# KiCad board jetson-nano-baseboard.kicad_pcb (continued)
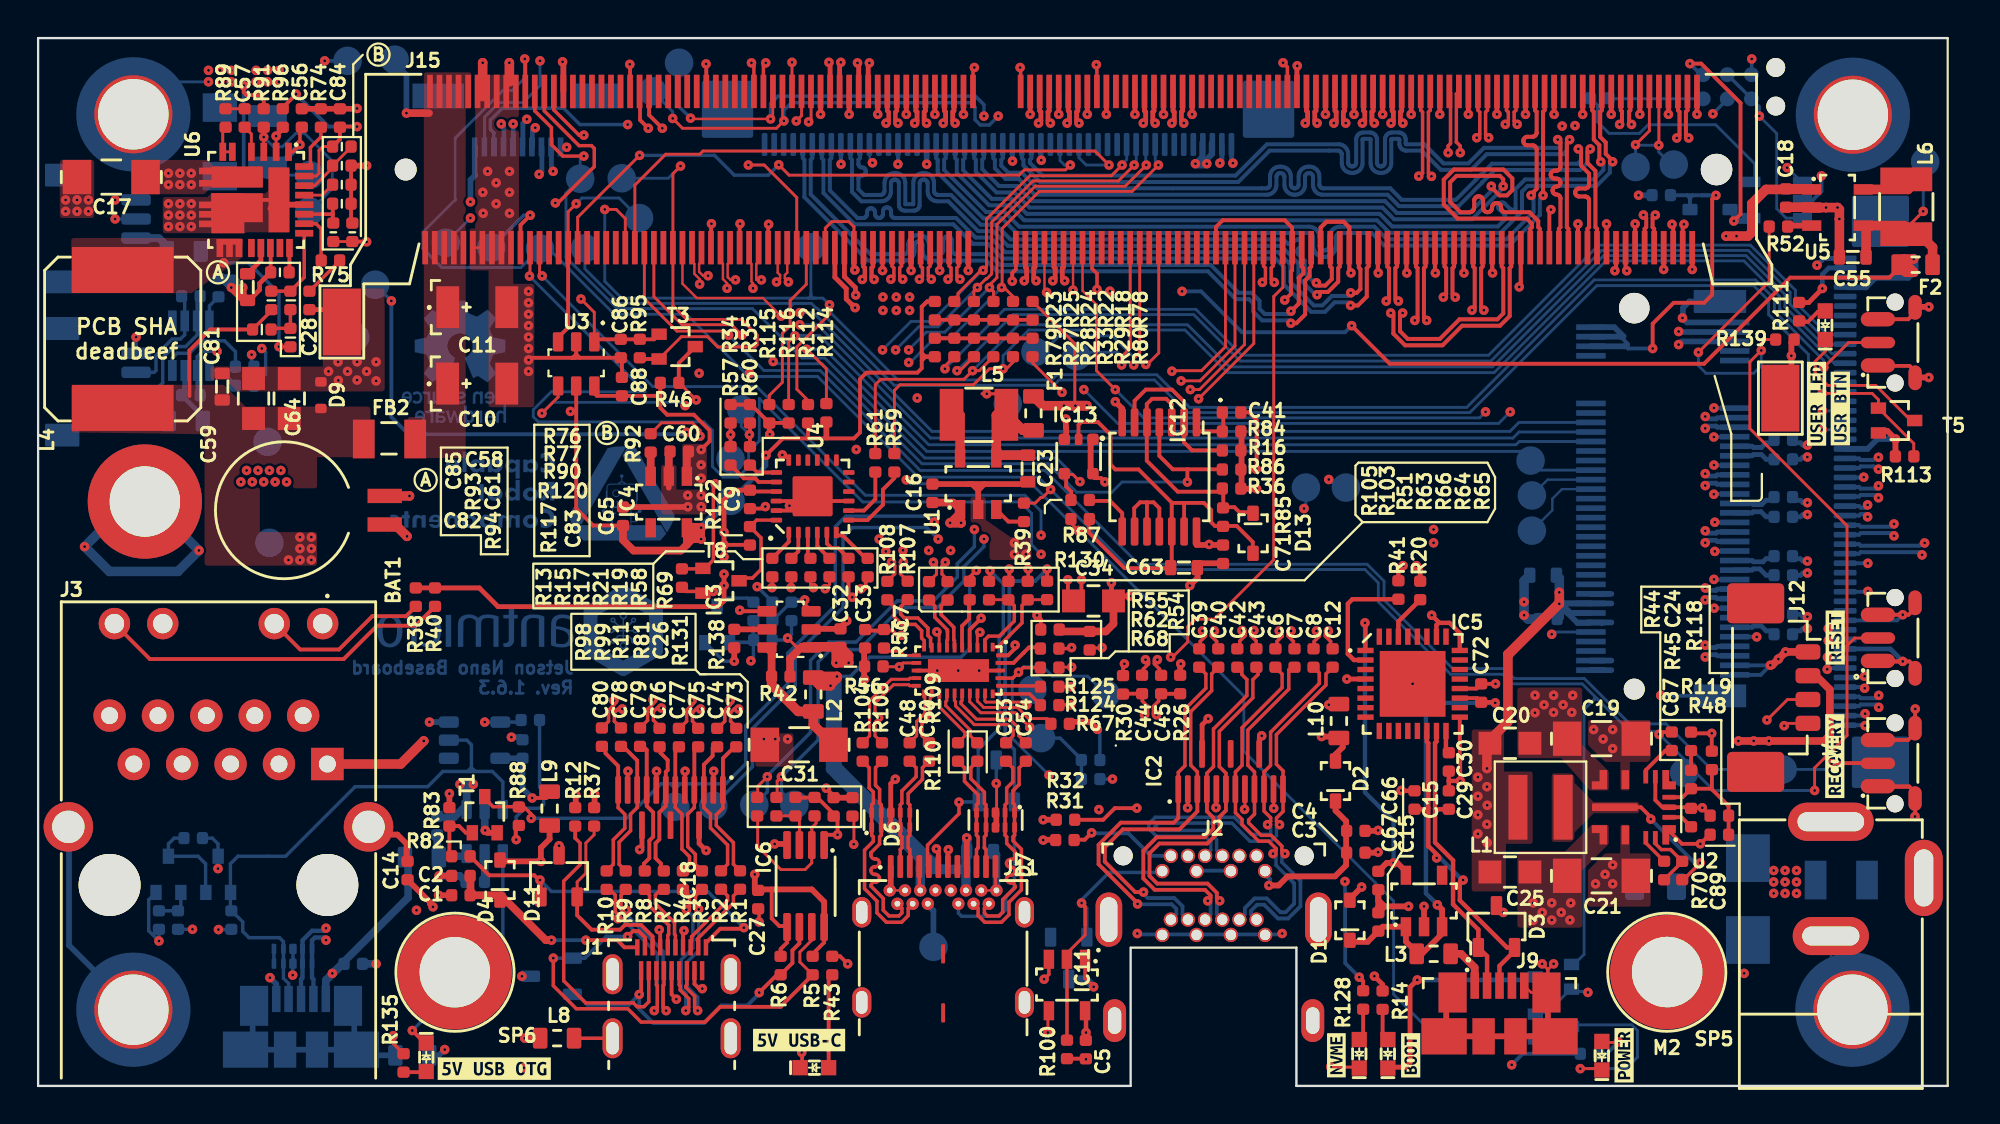
[diagram p0: board, top side]
## Footprints (pads in the part's own frame, mm; a bottom-side part is the same pattern mirrored in y, then rotated) (continued)
  rect 2x3.5 smd: 261(-37.756,-0.073) 262(37.744,-4.073)
TP_SMD_1.5mm
  round 1.5 smd: 1(0,0)
TSSOP-8_3x3mm_P0.65mm
  rrect 1.47x0.4 smd: 1(-2.148,0.962) 2(-2.148,0.313) 3(-2.148,-0.338) 4(-2.148,-0.987) 5(2.151,-0.987) 6(2.151,-0.338) 7(2.151,0.313) 8(2.151,0.962)
TSSOP-14_4.4x5mm_P0.65mm
  rrect 1.475x0.4 smd: 1(-2.863,1.95) 2(-2.863,1.301) 3(-2.863,0.652) 4(-2.863,0) 5(-2.863,-0.65) 6(-2.863,-1.3) 7(-2.863,-1.949) 8(2.862,-1.949) 9(2.862,-1.3) 10(2.862,-0.65) 11(2.862,0) 12(2.862,0.652) 13(2.862,1.301) 14(2.862,1.95)
USB-C_Receptacle_WE_632723300011
  rrect 0.2x1 smd: (-0.001,1.057) (-0.001,-2.043)
  rrect 0.3x1.2 smd: A1(-2.751,5.637) A2(-2.251,5.637) A3(-1.752,5.637) A4(-1.252,5.637) A5(-0.751,5.637) A6(-0.251,5.637) A7(0.248,5.637) A8(0.748,5.637) A9(1.249,5.637) A10(1.749,5.637) A11(2.249,5.637) A12(2.749,5.637)
  round 0.65 hole 0.3: B1(2.798,4.387) B2(2.398,3.686) B3(1.598,3.686) B4(1.199,4.387) B5(0.799,3.686) B6(0.399,4.387) B7(-0.402,4.387) B8(-0.802,3.686) B9(-1.202,4.387) B10(-1.601,3.686) B11(-2.402,3.686) B12(-2.802,4.387) SH(-2.001,4.387) SH(1.999,4.387)
  oval 1x1.6 hole 0.6x1.2: SH(-4.271,3.237) SH(-4.271,-1.493) SH(4.269,3.237) SH(4.269,-1.493)
USB-Micro-B_Receptacle_Molex_473460001
  rect 0.45x1.38 smd: 1(-1.301,2.376) 2(-0.652,2.376) 3(-0.001,2.376) 4(0.652,2.376) 5(1.3,2.376)
  rect 2.375x1.9 smd: SH(-2.911,-0.284) SH(2.913,-0.284)
  rect 1.475x2.1 smd: SH(-2.464,2.016) SH(2.463,2.016)
  rect 1.175x1.9 smd: SH(-0.836,-0.284) SH(0.836,-0.284)
USON-10_2.5x1mm_P0.5mm
  rrect 0.55x0.25 smd: 1(-0.387,1) 2(-0.387,0.5) 4(-0.387,-0.498) 5(-0.387,-0.998) 6(0.385,-0.998) 7(0.385,-0.498) 9(0.385,0.5) 10(0.385,1)
  rrect 0.55x0.4 smd: 3(-0.387,0) 8(0.385,0)
VQFN-24-1EP_3.8x3.8x1.0mm_P0.5mm
  rrect 0.6x0.25 smd: 1(-1.901,1.25) 2(-1.901,0.75) 3(-1.901,0.25) 4(-1.901,-0.248) 5(-1.901,-0.748) 6(-1.901,-1.249) 13(1.898,-1.249) 14(1.898,-0.748) 15(1.898,-0.248) 16(1.898,0.25) 17(1.898,0.75) 18(1.898,1.252)
  rrect 0.25x0.6 smd: 7(-1.252,-1.898) 8(-0.751,-1.898) 9(-0.25,-1.898) 10(0.248,-1.898) 11(0.748,-1.898) 12(1.249,-1.898) 19(1.249,1.901) 20(0.748,1.901) 21(0.248,1.901) 22(-0.25,1.901) 23(-0.75,1.901) 24(-1.252,1.901)
  rrect 2.1x2.1 smd: 25(0,0.001)
VQFN-HR-14_3.5x4mm
  custom 0.71x1.015 smd: 1(-1.68,1.45) 5(-1.68,-1.449)
  rrect 0.7x0.25 smd: 2(-1.855,0.527) 4(-1.855,-0.525)
  rrect 0.7x0.3 smd: 3(-1.855,0)
  rrect 0.25x0.7 smd: 6(-1.131,-1.6) 7(-0.63,-1.6) 13(-0.63,1.601) 14(-1.131,1.601)
  rrect 0.4x1 smd: 8(0.444,-1.449) 12(0.444,1.45)
  custom 0.81x1.015 smd: 9(1.594,-1.449) 11(1.594,1.45)
  rrect 2.4x0.4 smd: 10(0.994,0)
WQFN-30-1EP_4.6x2.6mm_P0.4mm
  rect 0.45x0.2 smd: 1(-1.232,1.809) 10(-1.232,-1.79) 16(1.222,-1.79) 25(1.222,1.809)
  rect 0.5x0.2 smd: 2(-1.203,1.41) 3(-1.203,1.01) 4(-1.203,0.609) 5(-1.203,0.21) 6(-1.203,-0.191) 7(-1.203,-0.59) 8(-1.203,-0.99) 9(-1.203,-1.391) 17(1.196,-1.391) 18(1.196,-0.99) 19(1.196,-0.59) 20(1.196,-0.191) 21(1.196,0.21) 22(1.196,0.609) 23(1.196,1.01) 24(1.196,1.41)
  rect 0.2x0.45 smd: 11(-0.804,-2.191) 15(0.797,-2.191) 26(0.797,2.21) 30(-0.804,2.21)
  rect 0.2x0.5 smd: 12(-0.403,-2.191) 13(-0.003,-2.191) 14(0.396,-2.191) 27(0.396,2.21) 28(-0.003,2.21) 29(-0.403,2.21)
  rect 1.2x3.2 smd: 31(-0.003,0.01)

## Nets
1V8_DBG: C66.1 IC5.1 IC15.5
1V8_SYS: C5.1 C65.1 C86.1 IC4.5 IC11.5 R23.1 R79.1 R88.1 R95.1 R112.1 R114.1 R133.1 T3.1 TP47.1 U3.1 U3.5
3V3_FFC1: F1.2 J6.47 J6.48 R78.1
3V3_FFC2: F2.2 J7.3 J7.4 R80.1
3V3_SYS: C9.1 C13.1 C20.1 C24.1 C25.1 C26.1 C33.1 C36.1 C46.1 C47.1 D1.2 D15.A F4.1 F5.1 IC6.1 IC7.8 J8.2 J8.4 J8.12 J8.14 J8.16 J8.18 J8.70 J8.72 J8.74 J10.1 L1.2 L10.1 R11.1 R34.1 R35.1 R38.1 R40.1 R48.1 R53.1 R81.1 R115.1 R116.1 R118.1 R122.1 R128.1 U2.1 U4.21 U7.3
5V0_DBG: C67.1 C72.1 D17.K IC5.19 IC15.1 IC15.3 L3.1
5V0_SYS: C16.1 C18.1 C32.1 C34.1 C59.1 C60.1 C64.1 C71.1 C81.1 C82.2 C83.1 C88.1 C90.1 D9.2 D17.A FB2.1 IC1.1 IC2.13 IC2.15 IC3.1 IC4.1 IC7.30 IC12.14 IC13.1 IC13.5 J6.49 J6.50 J7.1 J7.2 J12.2 L4.2 L9.1 R14.1 R16.1 R36.1 R42.1 R43.1 R46.1 R47.1 R54.1 R55.1 R67.1 R84.1 R86.1 R93.2 R97.1 R102.1 R111.1 R117.1 R126.1 R134.1 R135.1 R136.1 TP41.1 TP42.1 U1.1 U3.6 U5.1 U8.5
/Supply/3V3_EN: R44.2 U2.7
/Supply/3V3_FB: R45.2 R48.2 R118.2 R119.1 U2.4
/Supply/3V3_R_C_BOOT: C89.2 R70.2 U2.14
/Supply/3V3_SW: C89.1 L1.1 U2.10
/Supply/3V3_VCC: C87.1 U2.2
/Supply/3V3_VIN: C19.1 C21.1 FB3.2 U2.8 U2.12
/Supply/5V_BOOT: C57.2 U6.4
/Supply/5V_COMP: R75.1 U6.21
/Supply/5V_EN: R91.1 TP15.1 U6.3
/Supply/5V_FB: R117.2 R120.1 U6.22
/Supply/5V_FSW: R90.1 U6.24
/Supply/5V_ILIM: R76.2 R77.1 U6.25
/Supply/5V_MODE: R74.1 U6.27
/Supply/5V_PHASE: R89.2 U6.5 U6.6
/Supply/5V_SNS: C61.2 C82.1 R94.2
/Supply/5V_SS: C58.1 U6.19
/Supply/5V_SW: L4.1 R94.1 U6.12 U6.13 U6.14
/Supply/5V_VIN: C17.1 C22.1 C56.1 FB1.2 R91.2 TP11.1 U6.1 U6.7 U6.8
/Supply/VDD_5V_DCDC: C84.1 R76.1 R96.2 U6.26
GND: BAT1.- C1.2 C2.2 C3.2 C4.2 C5.2 C9.2 C10.2 C11.2 C13.2 C14.2 C15.2 C16.2 C17.2 C18.2 C19.2 C20.2 C21.2 C22.2 C23.2 C25.2 C26.2 C27.2 C28.2 C29.2 C30.2 C31.2 C32.2 C33.2 C34.2 C35.2 C36.2 C41.2 C46.2 C47.2 C55.2 C56.2 C58.2 C59.2 C60.2 C62.2 C63.2 C64.2 C65.2 C66.2 C67.2 C71.2 C72.2 C81.2 C83.2 C84.2 C85.2 C86.2 C87.2 C88.2 C90.2 D1.1 D3.3 D5.3 D6.3 D6.8 D7.3 D7.8 D8.3 D8.8 D9.1 D10.3 D11.3 D12.3 D14.2 IC1.2 IC2.2 IC2.5 IC2.8 IC2.11 IC3.2 IC4.2 IC5.4 IC5.17 IC5.20 IC5.24 IC5.26 IC5.33 IC6.4 IC7.13 IC7.28 IC7.31 IC11.1 IC11.3 IC12.7 IC13.3 IC15.2 IC17.2 IC18.2 IC18.5 IC18.8 IC18.11 J2.1 J2.7 J2.8 J2.13 J2.14 J2.19 J2.21 J2.22 J2.23 J2.24 J3.1 J4.2 J4.3 J5.5 J6.9 J6.12 J6.15 J6.18 J6.27 J6.30 J7.21 J7.24 J7.33 J7.36 J7.39 J7.42 J8.1 J8.3 J8.9 J8.15 J8.21 J8.27 J8.33 J8.39 J8.45 J8.51 J8.57 J8.71 J8.73 J8.75 J8.SH1 J8.SH2 J9.5 J9.SH J10.10 J11.A1 J11.A12 J11.B1 J11.B12 J11.SH J12.1 J13.4 J13.S1 J13.S2 J14.1 J14.S1 J14.S2 J15.1 J15.2 J15.7 J15.8 J15.13 J15.14 J15.19 J15.20 J15.25 J15.26 J15.31 J15.32 J15.37 J15.38 J15.43 J15.44 J15.49 J15.50 J15.55 J15.56 J15.61 J15.62 J15.67 J15.68 J15.73 J15.74 J15.79 J15.80 J15.85 J15.86 J15.102 J15.107 J15.113 J15.119 J15.125 J15.129 J15.132 J15.135 J15.138 J15.141 J15.144 J15.146 J15.147 J15.152 J15.153 J15.158 J15.159 J15.164 J15.165 J15.170 J15.171 J15.176 J15.177 J15.200 J15.201 J15.217 J15.231 J15.241 J15.242 J15.243 J15.244 J15.245 J15.246 J15.247 J15.248 J15.249 J15.250 J15.261 J15.262 L7.2 L8.1 R12.2 R30.2 R31.2 R32.2 R37.2 R50.2 R56.1 R62.1 R69.2 R73.2 R74.2 R77.2 R83.2 R90.2 R100.2 R113.1 R119.2 R120.2 R121.2 R127.2 R131.2 R137.2 R138.2 R139.2 REC1.1 REC1.3 REC1.SH RST1.1 RST1.3 RST1.SH SP1.1 SP2.1 SP3.1 SP5.1 SP6.1 SP7.1 T1.2 T2.2 T4.2 T5.2 T6.2 T7.2 T8.2 TP12.1 TP17.1 TP30.5 TP44.1 U1.2 U2.3 U2.6 U2.9 U2.11 U3.2 U4.9 U4.18 U4.22 U4.23 U4.25 U5.2 U6.9 U6.10 U6.11 U6.17 U6.23 U6.28 U7.2 U8.3 USR1.1 USR1.3 USR1.SH
VDD_MOD: C10.1 C11.1 FB2.2 J15.251 J15.252 J15.253 J15.254 J15.255 J15.256 J15.257 J15.258 J15.259 J15.260 TP38.1
VIN: D14.1 F3.2 FB1.1 FB3.1 TP16.1
#PWR_BUTTON: J15.240 TP31.1
#RECOVERY: J15.214 REC1.2 TP39.1
#RESET: J15.239 R39.1 R44.1 R52.1 R92.1 R139.1 RST1.2 T2.1 TP29.1 TP37.1
#SHUTDOWN_REQ: IC12.4 J15.233 R86.2 TP28.1
/CSI/CAM0_SCL: J6.40 R15.2 R24.2
/CSI/CAM0_SDA: J6.39 R13.2 R25.2
/CSI/CAM1_SCL: J6.42 R18.2 R21.2
/CSI/CAM1_SDA: J6.41 R17.2 R22.2
/CSI/CAM2_SCL: J7.9 R27.2 R58.2
/CSI/CAM2_SDA: J7.10 R19.2 R28.2
/CSI/CAM3_SCL: J7.11 R33.2 R61.2
/CSI/CAM3_SDA: J7.12 R29.2 R59.2
/CSI/CAM_I2C_SCL: J15.213 R35.2 R60.1 TP10.1
/CSI/CAM_I2C_SDA: J15.215 R34.2 R57.1 TP1.1
/CSI/CSI_A_CLK_N: J7.23 J15.10
/CSI/CSI_A_CLK_P: J7.22 J15.12
/CSI/CSI_A_D0_N: J7.26 J15.4
/CSI/CSI_A_D0_P: J7.25 J15.6
/CSI/CSI_A_D1_N: J7.28 J15.16
/CSI/CSI_A_D1_P: J7.27 J15.18
/CSI/CSI_B_D0_N: J7.30 J15.3
/CSI/CSI_B_D0_P: J7.29 J15.5
/CSI/CSI_B_D1_N: J7.32 J15.15
/CSI/CSI_B_D1_P: J7.31 J15.17
/CSI/CSI_C_CLK_N: J7.41 J15.52
/CSI/CSI_C_CLK_P: J7.40 J15.54
/CSI/CSI_C_D0_N: J7.44 J15.46
/CSI/CSI_C_D0_P: J7.43 J15.48
/CSI/CSI_C_D1_N: J7.46 J15.58
/CSI/CSI_C_D1_P: J7.45 J15.60
/CSI/CSI_D_D0_N: J7.48 J15.40
/CSI/CSI_D_D0_P: J7.47 J15.42
/CSI/CSI_D_D1_N: J7.50 J15.64
/CSI/CSI_D_D1_P: J7.49 J15.66
/CSI/CSI_E_CLK_N: J6.28 J15.28
/CSI/CSI_E_CLK_P: J6.29 J15.30
/CSI/CSI_E_D0_N: J6.25 J15.22
/CSI/CSI_E_D0_P: J6.26 J15.24
/CSI/CSI_E_D1_N: J6.23 J15.34
/CSI/CSI_E_D1_P: J6.24 J15.36
/CSI/CSI_F_D0_N: J6.21 J15.21
/CSI/CSI_F_D0_P: J6.22 J15.23
/CSI/CSI_F_D1_N: J6.19 J15.33
/CSI/CSI_F_D1_P: J6.20 J15.35
/CSI/CSI_G_CLK_N: J6.10 J15.76
/CSI/CSI_G_CLK_P: J6.11 J15.78
/CSI/CSI_G_D0_N: J6.7 J15.70
/CSI/CSI_G_D0_P: J6.8 J15.72
/CSI/CSI_G_D1_N: J6.5 J15.82
/CSI/CSI_G_D1_P: J6.6 J15.84
/Display/DP_CEC: J2.6 R32.1
/Display/DP_HPD: IC11.4 J15.88
/Display/DP_HPD_IN: D12.2 IC11.2 J2.2 R100.1
/Display/DP_MODE: J2.4 R31.1
/Display/EDP0_TX_N: C40.1 J15.39
/Display/EDP0_TX_P: C39.1 J15.41
/Display/EDP1_TX_N: C43.1 J15.45
/Display/EDP1_TX_P: C42.1 J15.47
/Display/EDP2_TX_N: C7.1 J15.51
/Display/EDP2_TX_P: C6.1 J15.53
/Display/EDP3_TX_N: C12.1 J15.57
/Display/EDP3_TX_P: C8.1 J15.59
/Display/EDP_AUX_N: C45.1 J15.90
/Display/EDP_AUX_P: C44.1 J15.92
/Display/EDP_C_AUX_C_N: C45.2 J2.18 R26.1
/Display/EDP_C_AUX_C_P: C44.2 J2.16 R30.1
/Display/ML_C_LANE0_N: C40.2 IC2.3 J2.5
/Display/ML_C_LANE0_P: C39.2 IC2.1 J2.3
/Display/ML_C_LANE1_N: C43.2 IC2.6 J2.11
/Display/ML_C_LANE1_P: C42.2 IC2.4 J2.9
/Display/ML_C_LANE2_N: C7.2 IC2.9 J2.17
/Display/ML_C_LANE2_P: C6.2 IC2.7 J2.15
/Display/ML_C_LANE3_N: C12.2 IC2.12 J2.12
/Display/ML_C_LANE3_P: C8.2 IC2.10 J2.10
/Display/TMDS_C1_CLK_N: C80.2 IC18.12 R10.1
/Display/TMDS_C1_CLK_P: C78.2 IC18.10 R9.1
/Display/TMDS_C1_D0_N: C79.2 IC18.9 R8.1
/Display/TMDS_C1_D0_P: C76.2 IC18.7 R7.1
/Display/TMDS_C1_D1_N: C77.2 IC18.6 R4.1
/Display/TMDS_C1_D1_P: C75.2 IC18.4 R3.1
/Display/TMDS_C1_D2_N: C74.2 IC18.3 R2.1
/Display/TMDS_C1_D2_P: C73.2 IC18.1 R1.1
/Display/TMDS_CEC: J15.94 TP26.1
/Display/TMDS_CEC_IN: D11.2 J1.15 R37.1
/Display/TMDS_CLK_C_N: J1.14 R10.2
/Display/TMDS_CLK_C_P: J1.12 R9.2
/Display/TMDS_CLK_N: C80.1 J15.81
/Display/TMDS_CLK_P: C78.1 J15.83
/Display/TMDS_D0_C_N: J1.11 R8.2
/Display/TMDS_D0_C_P: J1.9 R7.2
/Display/TMDS_D0_N: C79.1 J15.75
/Display/TMDS_D0_P: C76.1 J15.77
/Display/TMDS_D1_C_N: J1.8 R4.2
/Display/TMDS_D1_C_P: J1.6 R3.2
/Display/TMDS_D1_N: C77.1 J15.69
/Display/TMDS_D1_P: C75.1 J15.71
/Display/TMDS_D2_C_N: J1.5 R2.2
/Display/TMDS_D2_C_P: J1.3 R1.2
/Display/TMDS_D2_N: C74.1 J15.63
/Display/TMDS_D2_P: C73.1 J15.65
/Display/TMDS_HPD_IN: D11.1 J1.1 R82.2
/Display/TMDS_SCL: J15.100 R98.1 TP33.1
/Display/TMDS_SCL_5V0: D10.1 IC6.7 J1.17 R5.2
/Display/TMDS_SDA: J15.98 R99.1 TP34.1
/Display/TMDS_SDA_5V0: D10.2 IC6.6 J1.18 R6.2
/ID Serial/EEPROM_PWR: D15.K IC17.4 TP30.1
/ID Serial/SN_WP: IC17.5 R132.2
/Interfaces/C_PCIE0_TX0_N: C38.1 J8.47
/Interfaces/C_PCIE0_TX0_P: C37.1 J8.49
/Interfaces/C_PCIE0_TX1_N: C51.1 J8.35
/Interfaces/C_PCIE0_TX1_P: C49.1 J8.37
/Interfaces/C_PCIE0_TX2_N: C68.1 J8.23
/Interfaces/C_PCIE0_TX2_P: C52.1 J8.25
/Interfaces/C_PCIE0_TX3_N: C70.1 J8.11
/Interfaces/C_PCIE0_TX3_P: C69.1 J8.13
/Interfaces/CANH: J13.2 R123.1 U7.7
/Interfaces/CANL: J13.3 R123.2 U7.6
/SoM/PMIC_BBAT: BAT1.+ J15.235
/Supply/\~{PWR_SET}: C41.1 IC12.1 R84.2
/Supply/FAN_PMW_5V: J12.4 U3.4
/Supply/FAN_TACH_5V: J12.3 R46.2 T3.3
/Supply/Q: D13.K IC12.3 IC12.5 R36.2 R85.1
/Supply/QDEL: C63.1 D13.A IC12.12 IC12.13 IC13.2 R85.2 R87.2
/Supply/VDRV_5V_DCDC: C85.1 U6.16
/USB/C_CC1: D5.2 J11.A5 R63.2 R64.2
/USB/C_CC2: D5.1 J11.B5 R65.2 R66.2
/USB/C_USBSS_RX1_N: D6.1 D6.10 J11.B10 R104.2
/USB/C_USBSS_RX1_P: D6.2 D6.9 J11.B11 R106.2
/USB/C_USBSS_RX2_N: D7.5 D7.6 J11.A10 R109.2
/USB/C_USBSS_RX2_P: D7.4 D7.7 J11.A11 R110.2
/USB/C_USBSS_RX6_N: IC7.10 R108.2
/USB/C_USBSS_RX6_P: IC7.9 R107.2
/USB/C_USBSS_TX1_N: C50.2 D6.5 D6.6 J11.A3
/USB/C_USBSS_TX1_P: C48.2 D6.4 D6.7 J11.A2
/USB/C_USBSS_TX2_N: C54.2 D7.1 D7.10 J11.B3
/USB/C_USBSS_TX2_P: C53.2 D7.2 D7.9 J11.B2
/USB/C_USBSS_TX6_N: IC7.7 R105.2
/USB/C_USBSS_TX6_P: IC7.6 R103.2
/USB/CC1: IC7.2 R63.1 R66.1
/USB/CC2: IC7.1 R64.1 R65.1
/USB/DBG_USB_D_N: C29.1 D3.1 IC5.15 J9.2
/USB/DBG_USB_D_P: C15.1 D3.2 IC5.14 J9.3
/USB/EN_MUX: IC7.12 R56.2 R68.1
/USB/OTG_USB_ID: D8.4 D8.7 IC1.3 J5.4 R134.2 T9.1 U8.2
/USB/OTG_USB_VBUS: C62.1 J5.1 L11.2 R72.2
/USB/USB_DBG_VBUS: J9.1 L3.2
/USB/USBC_ADDR: IC7.22 R126.2 R127.1 TP21.1
/USB/USBC_FAULT: IC7.24 TP32.1
/USB/USBC_ID: IC7.27 R47.2 R49.1 R68.2 T7.1 TP18.1
/USB/USBC_INTN: IC7.23 R67.2
/USB/USBC_SCL: IC7.26 R125.2
/USB/USBC_SDA: IC7.25 R124.2
/USB/USBC_VBUS: C35.1 J11.A4 J11.A9 J11.B4 J11.B9 L2.2 R51.2 R131.1
/USB/USBSS_RX1_N: IC7.14 R104.1
/USB/USBSS_RX1_P: IC7.15 R106.1
/USB/USBSS_RX2_N: IC7.18 R109.1
/USB/USBSS_RX2_P: IC7.19 R110.1
/USB/USBSS_TX1_N: C48.1 IC7.16
/USB/USBSS_TX1_P: C50.1 IC7.17
/USB/USBSS_TX2_N: C53.1 IC7.20
/USB/USBSS_TX2_P: C54.1 IC7.21
/USB/~{OTG_USB_FAULT}: IC1.4 LED2.2
\PEWAKE_3V3: J8.54 J15.179
CAN_RXD: J15.143 R101.1
CAN_TXD: J15.145 R71.1
DP_PWR: D2.A L10.2 R26.2
EGND: C14.1 J3.S SP4.1
ENET_LED0: J3.13 J15.194
ENET_LED1: J3.11 J15.188
ENET_TRD0_N: J3.3 J15.184
ENET_TRD0_P: J3.2 J15.186
ENET_TRD1_N: J3.5 J15.190
ENET_TRD1_P: J3.4 J15.192
ENET_TRD2_N: J3.8 J15.196
ENET_TRD2_P: J3.7 J15.198
ENET_TRD3_N: J3.10 J15.202
ENET_TRD3_P: J3.9 J15.204
FAN_PWM: J15.230 TP13.1 U3.3
FAN_TACH: J15.208 R95.2 T3.2 TP14.1
GEN0_SCL: IC17.1 J15.185 R124.1 TP23.1 TP30.4
GEN0_SDA: IC17.3 J15.187 R125.1 TP24.1 TP30.3 TP30.6
HDMI_PWR: C27.1 D4.A IC6.5 IC6.8 IC18.13 IC18.15 L9.2 R5.1 R6.1
HDMI_SHIELD: J1.4 J1.7 J1.10 J1.13 J1.SH L8.2
I2C1_SCL: J14.4 J15.189
I2C1_SDA: J14.3 J15.191
I2C_MUX_RESET: J15.127 R69.1 T8.1
M2_ALERT: J8.44 J15.212 R114.2 TP2.1
OTG_USB_D_N: D8.1 D8.10 J5.2 J15.109
OTG_USB_D_P: D8.2 D8.9 J5.3 J15.111
PCIE0_CLK_N: J8.53 J15.160
PCIE0_CLK_P: J8.55 J15.162
PCIE0_RX0_N: J8.41 J15.131
PCIE0_RX0_P: J8.43 J15.133
PCIE0_RX1_N: J8.29 J15.137
PCIE0_RX1_P: J8.31 J15.139
PCIE0_RX2_N: J8.17 J15.149
PCIE0_RX2_P: J8.19 J15.151
PCIE0_RX3_N: J8.5 J15.155
PCIE0_RX3_P: J8.7 J15.157
PCIE0_TX0_N: C38.2 J15.134
PCIE0_TX0_P: C37.2 J15.136
PCIE0_TX1_N: C51.2 J15.140
PCIE0_TX1_P: C49.2 J15.142
PCIE0_TX2_N: C68.2 J15.148
PCIE0_TX2_P: C52.2 J15.150
PCIE0_TX3_N: C70.2 J15.154
PCIE0_TX3_P: C69.2 J15.156
PCIE1_CLK_N: J10.5 J15.173
PCIE1_CLK_P: J10.4 J15.175
PCIE1_CLKREQ: J10.3 J15.182
PCIE1_RST: J10.2 J15.183
PCIE1_RX0_N: J10.9 J15.167
PCIE1_RX0_P: J10.8 J15.169
PCIE1_TX0_N: J10.7 J15.172
PCIE1_TX0_P: J10.6 J15.174
PEX_L0_CLKREQ_N: J8.52 J15.180 R115.2
PEX_L0_RST_N: J8.50 J15.181 R116.2
PWR_EN: IC13.4 J15.237 R130.1 TP27.1
PWR_GOOD: R87.1 R96.1 T4.1 TP40.1 U6.2
TMDS_HPD: J15.96 R88.2 T1.3 TP25.1
UART1_RX: J15.238 R20.1
UART1_TX: J15.236 R41.1
USB1_D_N: J11.A7 J11.B7 J15.115
USB1_D_P: J11.A6 J11.B6 J15.117
USBSS_RX6_N: J15.161 R108.1
USBSS_RX6_P: J15.163 R107.1
USBSS_TX6_N: J15.166 R105.1
USBSS_TX6_P: J15.168 R103.1
USR_BUTTON: J15.218 R112.2 TP36.1 USR1.2
USR_LED: J15.206 R113.2 T5.1 TP35.1
VSYNC_CAM1_1: J6.32 J15.228
VSYNC_CAM1_2: J6.34 J15.216
VSYNC_CAM2_1: J7.19 J15.114
VSYNC_CAM2_2: J7.17 J15.130
~{OTG_USB_ID_DET}: J15.128 R133.2 U8.4
~{OTG_USB_VBUS_DET}: J15.87 R129.1 T9.3
Net-(BOOT1-Pad1): BOOT1.1 R14.2
Net-(C24-Pad2): C24.2 R45.1
Net-(C28-Pad1): C28.1 R75.2
Net-(C57-Pad1): C57.1 R89.1
Net-(F3-Pad1): F3.1 J4.1
Net-(F4-Pad2): F4.2 J13.1
Net-(F5-Pad2): F5.2 J14.2
Net-(IC1-ILIM): IC1.5 R50.1
Net-(IC1-OUT): IC1.6 L11.1 R136.2
Net-(IC3-ILIM): IC3.5 R138.1
Net-(IC3-OUT): C31.1 IC3.6 L2.1 R42.2
Net-(IC3-~{EN}): IC3.3 R49.2 R102.2 R137.1 T7.3
Net-(IC3-~{FAULT}): IC3.4 LED1.2
Net-(IC4-EN): IC4.3 R92.2
Net-(IC5-3V3OUT): C30.1 IC5.16
Net-(IC5-RXD): IC5.2 R41.2
Net-(IC5-TXD): IC5.30 R20.2
Net-(IC6-SCLA): IC6.2 R81.2 R98.2
Net-(IC6-SDAA): IC6.3 R11.2 R99.2
Net-(IC7-CURRENT_MODE): IC7.3 R54.2
Net-(IC7-DIR): IC7.11 R53.2
Net-(IC7-ENn_CC): IC7.29 R62.2
Net-(IC7-PORT): IC7.4 R55.2
Net-(IC7-VBUS_DET): IC7.5 R51.1
Net-(IC12-1B): IC12.2 IC12.6 R16.2
Net-(IC12-3A): IC12.9 IC12.10 IC12.11
Net-(IC12-~{3Y}): IC12.8 R130.2
Net-(J1-+5V): C1.1 C2.1 D4.K J1.19
Net-(J1-GND): J1.16 R12.1
Net-(J2-DP_PWR): C3.1 C4.1 D2.K J2.20
Net-(J3-Pad12): J3.12 R38.2
Net-(J3-Pad14): J3.14 R40.2
Net-(J5-SHIELD): J5.SH L7.1
Net-(J8-LED): J8.10 NVME1.2
Net-(J8-SMB_CLK): J8.40 TP20.1
Net-(J8-SMB_DATA): J8.42 TP7.1
Net-(J11-SBU2): J11.B8 TP19.1
Net-(LED1-Pad1): LED1.1 R43.2
Net-(LED2-Pad1): LED2.1 R135.2
Net-(M1B-(CSI1_CLK)RSVD-Pad11): J15.9 J15.11 TP3.1 TP4.1
Net-(M1B-CAM1_PWDN): J15.120 TP6.1
Net-(M1B-GPIO01): J15.118 TP9.1
Net-(NVME1-Pad1): NVME1.1 R128.2
Net-(PWR1-Pad1): PWR1.1 R97.2
Net-(R18-Pad1): R18.1 R22.1 R23.2 R24.1 R25.1 R78.2
Net-(R27-Pad1): R27.1 R28.1 R29.1 R33.1 R79.2 R80.2
Net-(R111-Pad2): R111.2 USER1.1
Net-(R132-Pad1): R132.1 TP30.2
Net-(T1-G): R82.1 R83.1 T1.1
Net-(T2-D): BOOT1.2 T2.3
Net-(T4-D): PWR1.2 T4.3
Net-(T5-D): T5.3 USER1.2
Net-(T6-D): R129.2 T6.3 T9.2
Net-(T6-G): R72.1 R73.1 T6.1
Net-(T8-D): R122.2 T8.3 U4.24
Net-(U1-EN): R39.2 U1.3
Net-(U1-FB): C23.1 F1.1 L5.2 TP5.1 U1.4
Net-(U1-SW): L5.1 U1.5
Net-(U2-RBOOT): R70.1 U2.13
Net-(U4-SC0): R15.1 U4.2
Net-(U4-SC1): R21.1 U4.4
Net-(U4-SC2): R58.1 U4.6
Net-(U4-SC3): R61.1 U4.8
Net-(U4-SCL): R60.2 U4.19
Net-(U4-SD0): R13.1 U4.1
Net-(U4-SD1): R17.1 U4.3
Net-(U4-SD2): R19.1 U4.5
Net-(U4-SD3): R59.1 U4.7
Net-(U4-SDA): R57.2 U4.20
Net-(U5-EN): R52.2 U5.3
Net-(U5-FB): C55.1 F2.1 L6.2 TP8.1 U5.4
Net-(U5-SW): L6.1 U5.5
Net-(U6-V_{SNS}): C61.1 R93.1 U6.20
Net-(U7-RH): R121.1 U7.8
Net-(U7-RXD): R101.2 U7.4
Net-(U7-TXD): R71.2 U7.1

Pads without a net: D8 5 6; D12 1; IC2 14; IC4 4; IC5 3 5 6 7 8 9 10 11 12 13 18 21 22 23 25 27 28 29 31 32; IC15 4; IC18 14; J1 2; J3 6; J6 1 2 3 4 13 14 16 17 31 33 35 36 37 38 43 44 45 46 MP1 MP2; J7 5 6 7 8 13 14 15 16 18 20 34 35 37 38 MP1 MP2; J8 6 8 20 22 24 26 28 30 32 34 36 38 46 48 56 58 67 68 69; J9 4; J10 MP1 MP2; J11 A8; J12 MP1 MP2; J15 27 29 89 91 93 95 97 99 101 103 104 105 106 108 110 112 116 121 122 123 124 126 178 193 195 197 199 203 205 207 209 210 211 219 220 221 222 223 224 225 226 227 229 232 234; U2 5; U4 10 11 12 13 14 15 16 17; U6 15 18; U7 5; U8 1

## Via types
v1: diameter 0.5, hole 0.15, Top to Bottom, 794 vias

## Routing (per net, layer and track width the routed paths; a pad name or vN(x,y) marks a point on that pad's centre or on a via; arc(x,y) is an arc through that point)
1V8_DBG: length 16.7
  Top w0.23: 69.67,22.86 69.67,24.28 v1(69.64,24.31)
  Top w0.3: 71.79,11.06 71.79,11.26 71.34,11.71 v1(71.14,11.71) 70.78,11.71 C66.1
  Bottom w0.23: v1(69.64,24.31) 69.64,15.41 71.14,13.91 v1(71.14,11.71)
1V8_SYS: length 123
  Top w0.15: 29.19,39.06 29.19,40.61 v1(28.49,41.31)
  Top w0.2: v1(25.09,12.93) 25.07,12.95 25.07,13.69 ; 47.06,41.17 46.65,41.17 46.38,40.89 ; 46.38,40.89 46.66,41.18 R23.1 ; 46.38,40.89 46.38,38.47 ; 46.38,38.47 46.38,38.27 ; 46.38,38.47 46.57,38.28 46.71,38.28 ; 46.38,38.27 46.38,38.28 46.71,38.28 ; 46.38,38.27 46.38,38.07 ; v1(38.2,33.1) 39.09,33.99 40.36,33.99 ; R79.1 46.71,38.28 ; 46.71,38.28 46.58,38.28 46.38,38.07 ; 40.36,33.99 40.41,34.03 40.41,34.58 ; 40.36,33.99 42.82,33.99 43.14,34.31 43.14,37.11 43.48,37.44 46.15,37.44 46.38,37.67 46.38,38.07 ; 29.19,39.06 29.33,39.19 32.33,39.19 T3.1 ; 28.24,36.36 28.24,35.41 ; 28.24,35.41 28.24,30.31 29.13,29.42 30.7,29.42 ; 28.24,35.41 v1(27.94,35.41)
  Top w0.23: IC11.5 55,3.9 v1(55,2.8)
  Top w0.3: 41.37,34.04 41.37,34.85
  Top w0.4: 34.05,28.71 34.05,29.3 34.2,29.3 v1(34.8,28.7) ; 34.05,28.71 34.05,28.41 ; 34.05,28.71 34.06,28.7 v1(34.8,28.7) ; v1(34.8,28.7) 34.34,28.7 34.05,28.41 ; v1(34.8,28.7) v1(34.8,29.3) ; 34.05,28.41 33.74,28.1 31.25,28.1 30.7,28.65 30.7,29.42
  Top w0.5: 34.05,29.3 v1(34.8,29.3)
  In2_SINGAL.Cu w0.15: v1(28.49,41.31) 28.49,35.96 v1(27.94,35.41)
  In5_3V3_SYS_SIGNAL.Cu w0.5: v1(34.8,28.7) 34.8,27.65 ; 36.49,13.26 25.42,13.26 v1(25.09,12.93) ; 36.49,13.26 37.19,13.26 37.44,13 ; 36.49,13.26 37.1,13.26 37.44,13.6 ; v1(55,2.8) 53.94,3.86 53.94,6.01 52.64,7.31 41.04,7.31 39.96,8.39 39.96,10.49 37.89,12.55 ; 37.44,13.6 37.34,13.5 37.34,13.1 37.89,12.55 ; 37.44,13.6 37.44,14.01 ; 37.89,12.55 37.44,13 ; 37.44,14.01 37.44,20.16 34.8,22.8 34.8,27.65 ; 37.44,14.01 37.44,13 ; 34.8,27.65 v1(34.8,29.3)
  Bottom w0.18: R133.1 26.32,15.68 26.53,15.47 26.53,14.78 26.33,14.58 25.54,14.58 25.09,14.13 v1(25.09,12.93)
  Bottom w0.25: v1(38.2,33.1) 38.2,32.56 TP47.1
  Bottom w0.4: TP47.1 36.21,30.71 v1(34.8,29.3)
3V3_FFC1: length 36.5
  Top w0.15: R78.1 54.41,38.96 54.41,35.74 v1(54.44,35.71)
  Top w0.5: v1(53.84,35.71) v1(55.04,35.71) ; v1(55.04,35.71) 52.73,35.71 52.24,36.2 ; v1(55.04,35.71) v1(54.44,35.71)
  In2_SINGAL.Cu w0.4: v1(61.34,48.41) 61.22,48.32 ; 55.7,36.37 55.24,35.92
  In2_SINGAL.Cu w0.5: 55.24,35.92 55.7,36.37 55.7,36.86 56.02,37.18 58.33,37.18 58.88,37.73 58.88,39.37 61.13,41.62 61.13,47.84 ; 61.13,47.84 61.13,48.23 v1(61.34,48.41) ; 61.13,47.84 61.13,48.01 v1(60.74,48.41) 61.07,48.41 ; 55.54,36.21 55.03,35.71 v1(53.84,35.71)
  Bottom w0.25: 61.34,48.64 61.63,48.94 61.63,49.42 ; v1(61.34,48.41) 61.14,48.64 61.14,49.42
  Bottom w0.3: v1(61.34,48.41) 61.34,48.64 61.59,48.89 ; v1(60.74,48.41) 61.09,48.76 61.09,49.51 ; 61.59,49.51 61.59,48.89 ; 61.59,48.89 61.47,48.78
  Bottom w0.5: v1(61.34,48.41) v1(60.74,48.41)
3V3_FFC2: length 63.8
  Top w0.15: v1(53.74,36.41) 52.19,37.95 R80.1
  Top w0.2: v1(68.94,39.91) 70.94,37.91 87.44,37.91 91.96,42.43 97.16,42.43 97.74,43.01 98.14,43.01
  Top w0.5: v1(98.44,43.41) 97.95,43.41 ; 97.95,43.41 97.65,43.11 98.05,42.71 v1(98.44,42.71) 97.95,43.2 97.95,43.41
  In2_SINGAL.Cu w0.2: v1(53.74,36.41) 53.74,37.11 58.34,41.71 v1(60.04,41.71)
  Bottom w0.2: v1(68.94,39.91) 68.6,39.56 63.19,39.56 61.04,41.71 v1(60.04,41.71)
  Bottom w0.3: 94.98,41.92 95.93,41.92 ; 95.93,41.92 95.93,42.3 96.05,42.42 94.98,42.42 96.43,42.42 ; 95.93,41.92 96.43,42.42 ; 96.43,42.42 98.15,42.42 v1(98.44,42.71)
  Bottom w0.5: v1(98.44,43.41) v1(98.44,42.71)
3V3_SYS: length 163.2
  Top w0.15: v1(47.17,23.83) 47.29,23.71 47.29,23
  Top w0.2: 36.34,35.76 37.42,35.76 38.38,34.8 39.39,34.8 ; 43.43,23.9 44.83,23.9 45.08,23.65 v1(45.31,23.65) ; 39.81,15.14 40.9,15.14 41.86,14.18 41.96,14.18 v1(41.96,13.18) 41.26,13.18 IC6.1 ; 37.36,28.38 37.34,28.4 v1(36,28.4) ; R128.1 69.55,5.5 v1(69.34,5.71) ; 87.81,13.27 v1(87.24,12.71) 86.28,12.71 85.56,13.43 ; 87.85,17.57 87.84,17.57 v1(87.84,18.51) 86.82,18.51 C24.1 86.84,18.57 ; v1(88.06,46.75) 87.87,46.55 87.87,41.53 87.44,41.11 85.84,41.11 84.74,40.01 v1(84.74,38.71) ; 38.6,31.2 37.43,31.2 37.36,31.27
  Top w0.25: R38.1 R40.1 20.83,26.14 23.16,26.14 24.14,25.16 35.69,25.16 36,25.46 v1(36,26.26) v1(36,26.86) ; v1(36,27.76) v1(36,28.4) v1(36,29.06) 36,30.76 36.51,31.27 37.36,31.27 ; R115.1 38.38,34.22 v1(38.4,34.2)
  Top w0.4: v1(67.74,20.01) 67.78,19.97 68.48,19.97
  Top w0.5: 77.14,22.66 79.79,25.31 ; 77.14,22.66 77.19,22.66 v1(79.84,25.31) v1(79.84,25.91) ; 77.14,22.66 77.14,19.11 76.04,18.01 v1(76.04,16.66)
  In2_SINGAL.Cu w0.5: v1(36,28.4) 36.19,28.21 36.19,26.86 35.92,26.58 32.37,26.58 21.99,36.96 21.99,46.11 22.29,46.41 v1(22.69,46.41)
  In5_3V3_SYS_SIGNAL.Cu w0.2: v1(87.24,12.71) 87.84,13.31 v1(87.84,18.51) 87.04,19.31 81.14,19.31 78.5,16.66 v1(76.04,16.66) ; v1(68.59,10.73) 68.59,17.16
  Bottom w0.2: v1(88.06,46.75) 87.33,46.75 87.33,46.75 ; 86.85,46.75 86.7,46.6 86.7,46.56 ; 86.85,46.75 87.33,46.75 ; 86.85,46.75 86.55,46.75 ; 87.33,46.75 87.75,46.75 ; 86.7,46.56 86.7,46.61 86.55,46.75 ; 86.7,46.56 86.7,46 ; 83.06,39.33 83.44,38.94 83.44,38.71 v1(84.74,38.71) ; v1(69.34,5.71) 68.6,6.45 v1(68.59,10.73) ; 86.55,46.75 85.73,46.75
  Bottom w0.25: F4.1 8.63,35.16 7.53,36.25 7.69,36.41 7.69,37.55
  Bottom w0.3: 82.05,24.31 82.06,24.3 ; 81.5,25.33 80.14,25.33 80.03,25.22 80.43,24.82 81.5,24.82 80.27,24.82 79.79,25.31 ; 81.5,25.33 82.57,25.33 ; 81.5,25.33 79.81,25.33 79.79,25.31 ; 81.5,39.82 82.73,39.82 83.21,39.34 83.19,39.33 81.5,39.33 ; 81.5,38.82 83.24,38.82 83.26,38.81 ; 81.5,25.82 82.57,25.82 ; 82.57,24.32 81.36,24.32 81.34,24.31 80.79,24.31 79.79,25.31 ; 81.5,22.32 82.57,22.32 ; 81.5,21.82 82.57,21.82 ; v1(22.69,46.41) 22.69,47.56 22.92,47.79 J10.1
  Bottom w0.5: C46.1 79.84,24.62 v1(79.84,25.31) ; C47.1 79.84,26.66 v1(79.84,25.91)
  vias: v1(75.57,16.21) v1(75.57,15.21) v1(75.57,14.23) v1(75.57,13.23) v1(76.04,15.71) v1(76.06,14.73) v1(76.04,13.73) v1(76.06,12.76)
